# Altium PCB PCB1.PcbDoc (part 9 of 9)
Units mil, origin at the board's own origin, x right, y up, seen from the top; angles counter-clockwise.
Board outline 6000 x 4000 mil, 7 copper layers (Top Layer, InternalPlane1, MidLayer1, InternalPlane2, Internal Plane 3, MidLayer2, Bottom Layer); 389 components, 0 nets, 1750 pads, 1189 vias.
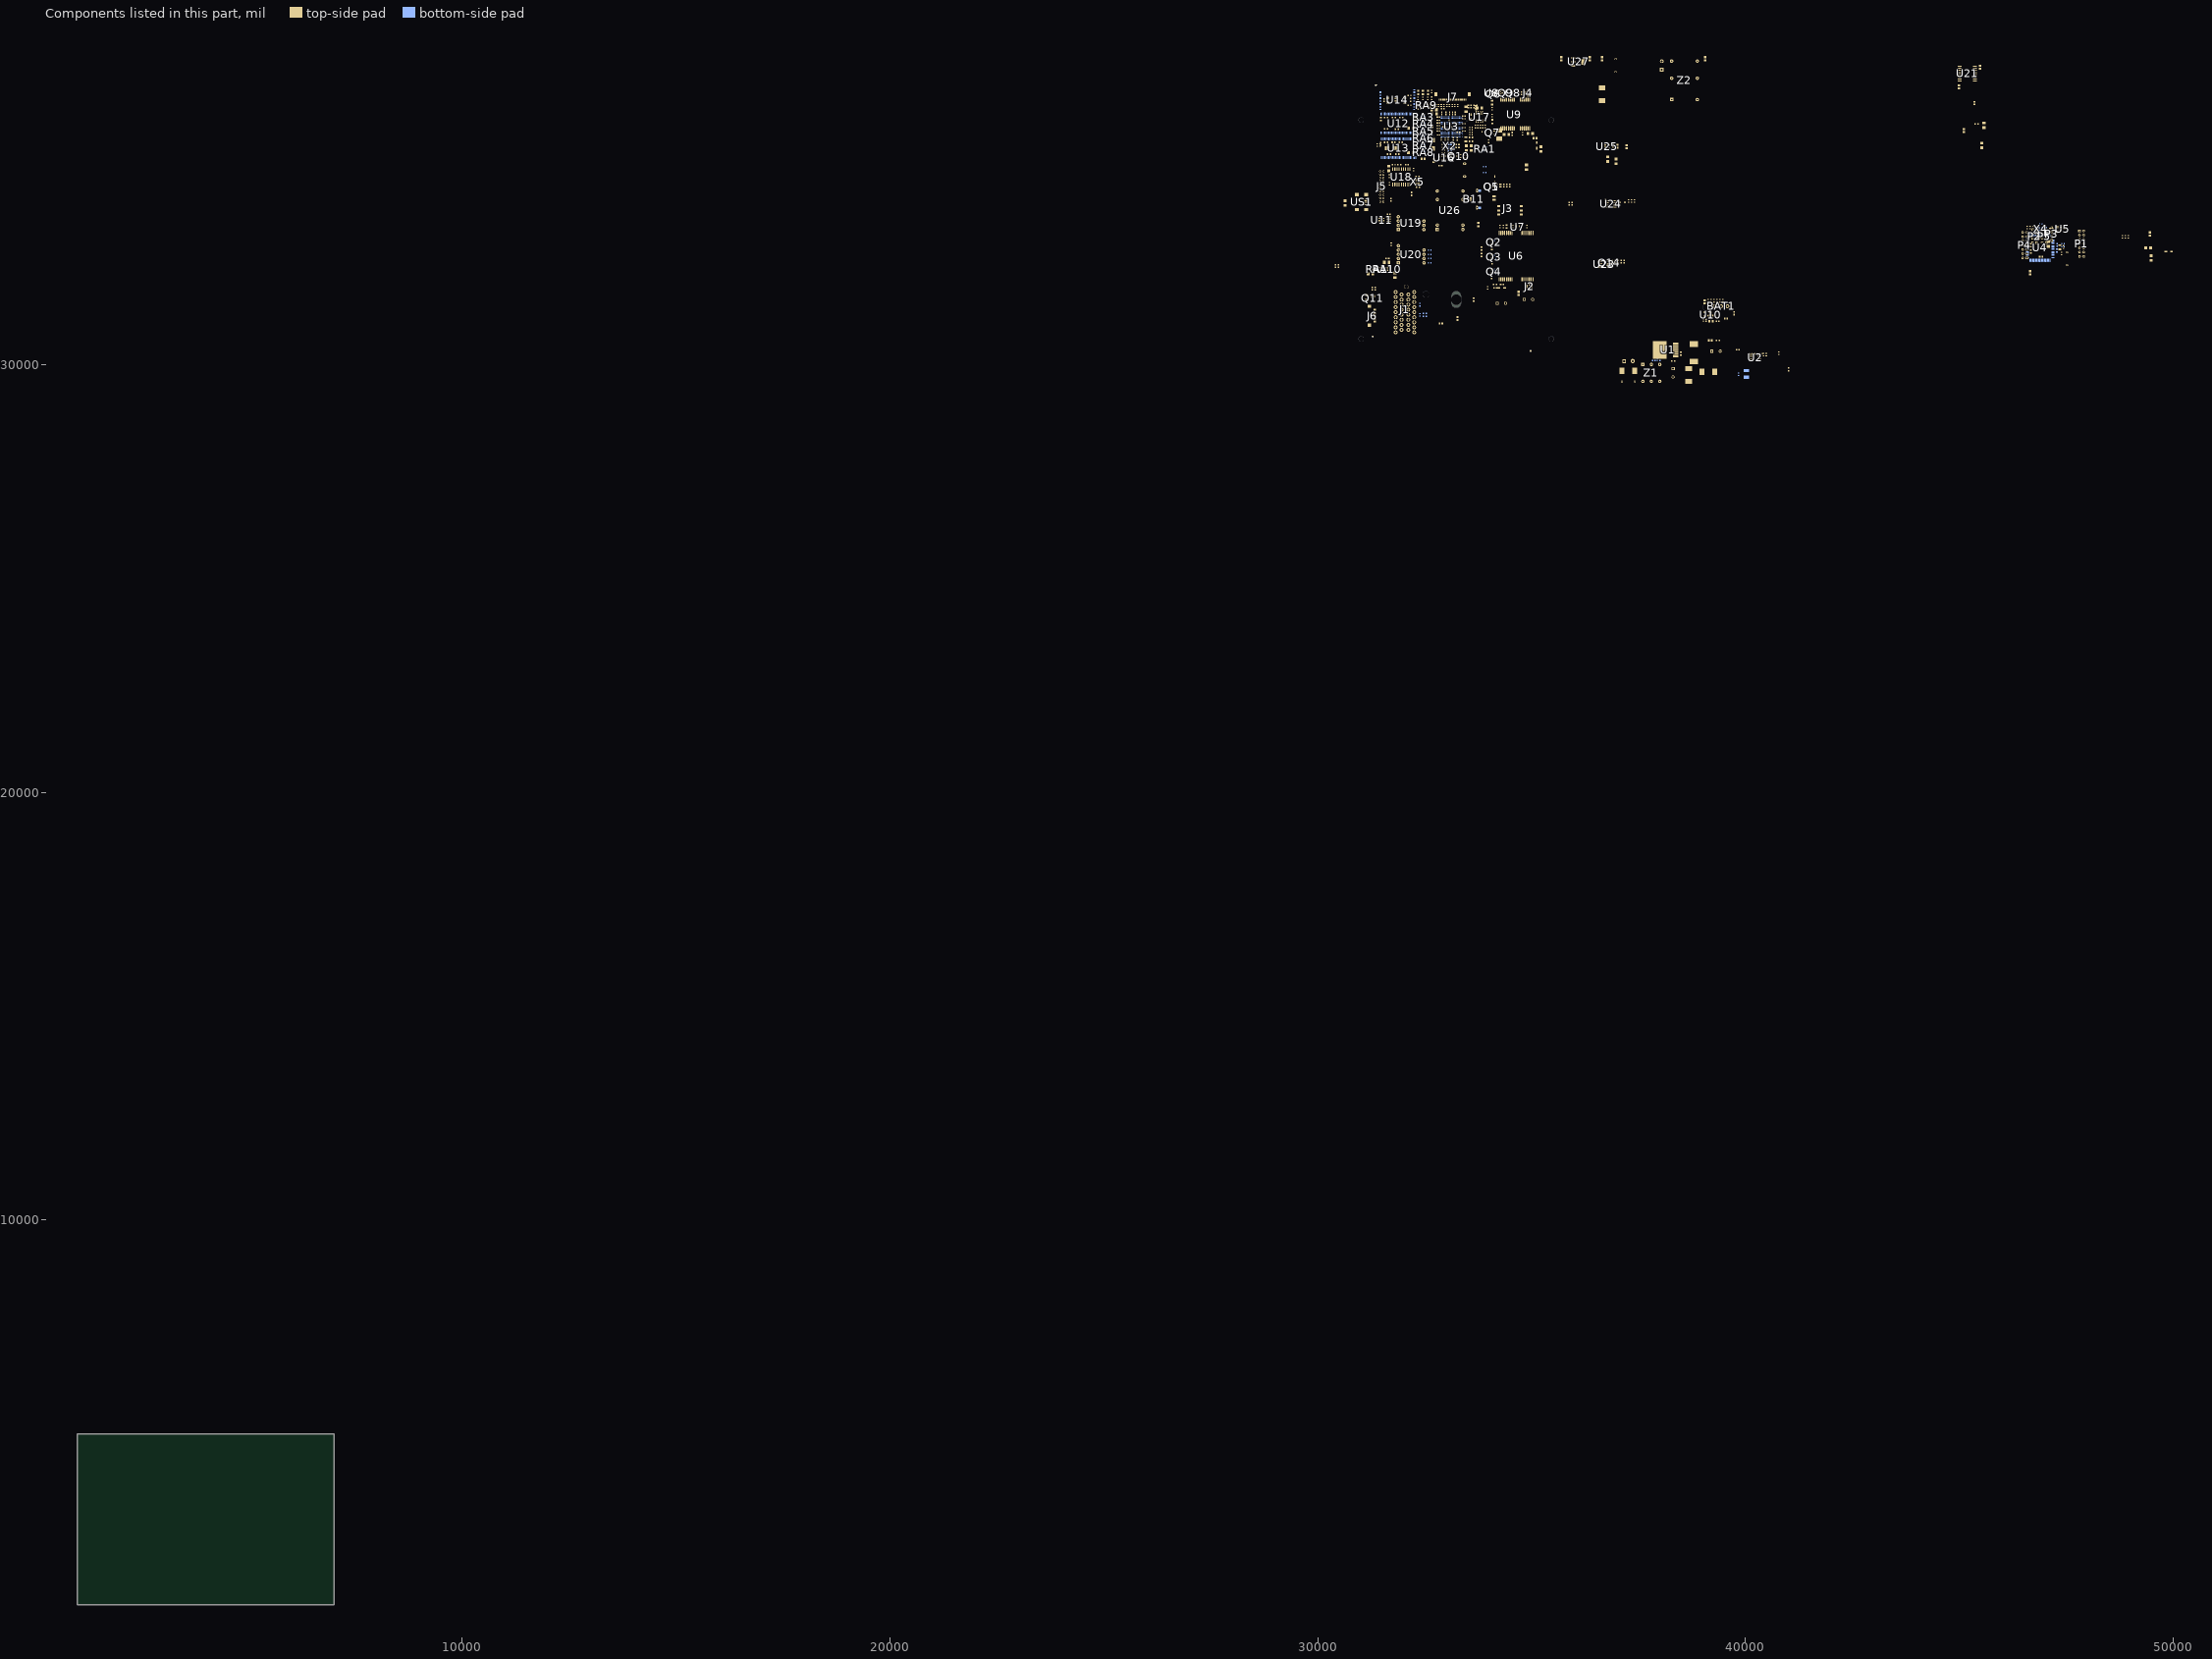
[diagram p14: the components of this part, seen from the top]

## Polygon pours and split planes (outlines as drawn) (continued)
no net on Internal Plane 3 (split plane): 7000,1000 1000,1000 1000,5000 7000,5000

## Keep-outs
Keep-Out Layer:
  circle w94.49: c35466.82,35727.11 r62.99
  circle w94.49: c35466.82,30609 r62.99
  circle w94.49: c31018,35727.11 r62.99
  circle w94.49: c31018,30609 r62.99
  circle w10: c32533.75,31652.31 r78.74
  circle w10: c39089.8,31349.36 r78.74
  lines w5: 30840.83,30505.13 ccw(c30919.57,30505.13) 30919.57,30426.39 31175.74,30426.39 cw(c31175.74,30347.65) 31254.48,30347.65 31254.48,30150.73 ccw(c31333.22,30150.73) 31333.22,30071.99 35132.17,30071.99 ; 30840.83,30506.05 30840.83,32867.27 cw(c30919.57,32867.27) 30919.57,32946.01 31175.74,32946.01 ccw(c31175.74,33024.75) 31254.48,33024.75 ; 31255.21,33023.77 31254.48,33457.89 ccw(c31175.74,33457.89) 31175.74,33536.63 30919.57,33536.63 cw(c30919.57,33615.37) 30840.83,33615.37 30840.83,35898.83 cw(c30919.57,35898.83) 30919.57,35977.57 31175.74,35977.57 ccw(c31175.74,36056.31) 31254.48,36056.31 31254.48,36568.13 cw(c31333.22,36568.13) 31333.22,36646.87 35132.44,36646.87 cw(c35132.44,36568.13) 35211.18,36568.13 35211.18,36056.31 ccw(c35289.92,36056.31) 35289.92,35977.57 35525.87,35977.57 cw(c35525.87,35898.83) 35604.61,35898.83 ; 35132.44,30071.99 ccw(c35132.44,30150.73) 35211.18,30150.73 35211.18,30347.65 cw(c35289.92,30347.65) 35289.92,30426.39 35525.87,30426.39 ccw(c35525.87,30505.13) 35604.61,30505.13 ; 35604.61,32827.97 ccw(c35525.87,32827.97) 35525.87,32906.71 35289.92,32906.71 cw(c35289.92,32985.45) 35211.18,32985.45 35211.18,33457.89 cw(c35289.92,33457.89) 35289.92,33536.63 35525.87,33536.63 ccw(c35525.87,33615.37) 35604.61,33615.37
Mechanical 5:
  circle w10: c30964.1,29446.44 r137.8

## Other copper
InternalPlane1 (plane layer: these items are gaps in the copper):
  lines w10: 32042.61,30076.85 30823.16,30076.85 30823.16,36248.85 31224.16,36649.85 33996.35,36649.85 33996.35,35343.65 33907.76,35255.06 33907.76,33307.23 33553.43,33307.23 33377.25,33483.41 32522.92,33483.41 32336.9,33297.39 32336.9,31582.82 32187.29,31433.21 32187.29,31246.2 32042.61,31101.52 32042.61,30075.85 33366.35,30075.85 ; 32675.48,33482.43 32675.48,32782.62 32875.28,32582.82 33494.16,32582.82 33494.16,31783.39 33397.92,31687.15 33397.92,30861.36 ; 33508.16,30075.85 33508.16,30751.13 ; 33906.78,33308.21 34014.06,33200.93 34014.06,31662.54 33946.15,31594.63 33946.15,31301.32 ; 33997.33,36644.75 35381.11,36644.75 35611.16,36414.71 35611.16,30075.85 ; 37779.25,30164.31 37889.49,30054.07 ; 37788.11,30591.47 38314.69,30591.47 38327.48,30604.27 ; 33366.35,30075.85 35611.16,30075.85 ; 33366.35,30075.85 35611.16,30075.85
Internal Plane 3 (plane layer: these items are gaps in the copper):
  lines w5: 32338.87,30995.27 32338.87,33337.22 32478.6,33476.95 ; 33507.16,30212.74 33509.16,30214.74 33509.16,30750.13 ; 37890.49,30053.07 37779.25,30164.31 37779.25,30595.68 37776.93,30593.36 38390.47,30593.36
  lines w10: 31424.5,35936.34 31424.5,36453.33 31426.46,36455.3 32308.33,36455.3 ; 31690.24,30216.68 31690.24,30645.81 32039.7,30995.27 32338.87,30995.27 ; 32302.45,35931.24 32302.45,36449.42 ; 32478.6,33476.95 33385.1,33476.95 33554.39,33307.66 33814.23,33307.66 33842.78,33336.21 33905.8,33399.22 33905.8,35252.11 33997.33,35343.65 33997.33,36455.3 31400.72,36455.3 31096.74,36151.32 31096.74,30212.74 35192.21,30212.74 35192.21,36453.88 33970.76,36453.88 ; 33907.76,33408.61 33907.76,33311.17 34009.14,33209.79 34009.14,31290.41 ; 38391.54,30594.43 39572.56,30594.43 ; 47646.08,32250.73 46543.72,32250.73 46543.72,33147.39 46635.25,33238.92 47646.08,33238.92 47648.05,33240.89 ; 31424.5,34757.03 31424.5,35931.24 32611.21,35931.24 32611.75,35930.7 32611.75,34755.78 32610.5,34757.03 31424.5,34757.03 ; 32625.26,34317.51 32641.99,34300.77 33150.85,34300.77 33153.8,34303.73 33153.8,34972.03 33661.68,34972.03 33662.66,34973.02 33662.66,36119.67 33664.63,36121.64 32627.23,36121.64 32625.26,36119.67 32625.26,34969.08 32625.26,34317.51

## Silkscreen, mask and mechanical layers (free items; w line width, h text height)
Top Solder:
  rectangle: 34154.81,33103.49 34216.82,33159.59
Mechanical 1:
  lines w5: 30840.83,30505.13 ccw(c30919.57,30505.13) 30919.57,30426.39 31175.74,30426.39 cw(c31175.74,30347.65) 31254.48,30347.65 31254.48,30150.73 ccw(c31333.22,30150.73) 31333.22,30071.99 35132.17,30071.99 ; 30840.83,30506.05 30840.83,32867.27 cw(c30919.57,32867.27) 30919.57,32946.01 31175.74,32946.01 ccw(c31175.74,33024.75) 31254.48,33024.75 ; 31255.21,33023.77 31254.48,33457.89 ccw(c31175.74,33457.89) 31175.74,33536.63 30919.57,33536.63 cw(c30919.57,33615.37) 30840.83,33615.37 30840.83,35898.83 cw(c30919.57,35898.83) 30919.57,35977.57 31175.74,35977.57 ccw(c31175.74,36056.31) 31254.48,36056.31 31254.48,36568.13 cw(c31333.22,36568.13) 31333.22,36646.87 35132.44,36646.87 cw(c35132.44,36568.13) 35211.18,36568.13 35211.18,36056.31 ccw(c35289.92,36056.31) 35289.92,35977.57 35525.87,35977.57 cw(c35525.87,35898.83) 35604.61,35898.83 ; 35132.44,30071.99 ccw(c35132.44,30150.73) 35211.18,30150.73 35211.18,30347.65 cw(c35289.92,30347.65) 35289.92,30426.39 35525.87,30426.39 ccw(c35525.87,30505.13) 35604.61,30505.13 ; 35604.61,32827.97 ccw(c35525.87,32827.97) 35525.87,32906.71 35289.92,32906.71 cw(c35289.92,32985.45) 35211.18,32985.45 35211.18,33457.89 cw(c35289.92,33457.89) 35289.92,33536.63 35525.87,33536.63 ccw(c35525.87,33615.37) 35604.61,33615.37
Mechanical 2:
  lines w10: 30842.8,30332.82 31206.98,30332.82
Mechanical 5:
  circle w10: c35529.16,33996.48 r78.74
  circle w10: c35531.03,31587.6 r137.8
  circle w10: c30964.1,31575.22 r137.8
  circle w10: c30964.1,29446.44 r62.99
  circle w10: c35466.82,30609 r137.8
  circle w10: c35466.82,35727.11 r78.74
  circle w10: c30963.84,30012.94 r78.74
  circle w5: c33439.52,34560.25 r229.39
  lines w10: 30806.62,29446.44 30964.1,29446.44 ; 30806.62,31732.7 35294.81,31732.7 ; 30806.62,33858.68 31101.9,33858.68 31101.9,34134.27 30806.62,34134.27 ; 31208.2,29311.44 31208.2,36913.33 ; 31208.2,37283.88 35294.81,37283.88 ; 31397.17,29311.44 31397.17,36398.05 ; 31411.17,36457.11 35199.62,36457.11 ; 31554.65,31156.2 31475.91,31156.2 31475.91,31313.68 31554.65,31313.68 ; 33453.9,37579.16 30806.62,37579.16 30806.62,29311.44 30806.62,28940.89 30688.51,28940.89 30688.51,29311.44 35806.62,29311.44 ; 35190.48,29341.44 35190.48,37230.89 ; 35294.81,29311.44 35294.81,37315.89 ; 35314.5,32891.44 35688.51,32891.44 ; 35686.64,33858.68 35312.62,33858.68 35312.62,34134.27 35686.64,34134.27 ; 35688.51,29311.44 35688.51,36423.33 ; 31554.65,30506.6 32538.9,30506.6 32538.9,31963.29 31554.65,31963.29 31554.65,30506.6 ; 32519.22,36772.07 32519.22,37008.29 33779.06,37008.29 33779.06,36772.07 32519.22,36772.07

## Text inside footprints (layer, text, board x,y; h text height)
J6: Top Overlay "16" at 31383.76,30990.13 h31.5 r270; Top Overlay "1" at 31381.76,31324.13 h31.5 r270
J7: Top Overlay "1" at 33536.28,36197.85 h31.5 r180; Top Overlay "33" at 32819.28,36207.85 h31.5 r180
P1: Top Overlay "2" at 47896.35,33257.54 h31.5 r270; Top Overlay "1" at 47796.35,33257.54 h31.5 r270; Top Overlay "14" at 47896.35,32457.54 h31.5 r270; Top Overlay "13" at 47796.35,32457.54 h31.5 r270
P2: Top Overlay "8" at 46735.27,33222.87 h31.5 r90; Top Overlay "7" at 46835.27,33222.87 h31.5 r90; Top Overlay "1" at 46835.27,32782.87 h31.5 r90; Top Overlay "2" at 46735.27,32762.87 h31.5 r90
P4: Top Overlay "13" at 46607.39,33181.22 h31.5 r90; Top Overlay "14" at 46507.39,33181.22 h31.5 r90; Top Overlay "1" at 46607.39,32381.22 h31.5 r90; Top Overlay "2" at 46507.39,32381.22 h31.5 r90
P5: Top Overlay "8" at 46963.14,33222.87 h31.5 r90; Top Overlay "7" at 47063.14,33222.87 h31.5 r90; Top Overlay "1" at 47063.14,32782.87 h31.5 r90; Top Overlay "2" at 46963.14,32762.87 h31.5 r90
U26: Bottom Overlay "5V" at 32904,34109 h31.5 r90; Bottom Overlay "0V" at 32909,33894 h31.5 r90; Bottom Overlay "24V" at 32909,33244 h31.5 r90; Bottom Overlay "GND" at 33324,33264 h31.5 r90; Bottom Overlay "12V" at 33334,34119 h31.5 r90
US1: Mechanical 2 "PCB Edge" at 30813.97,33967.13 h31.5 r270